# KiCad board Inn BEC Panelized_panelized.kicad_pcb (continued)
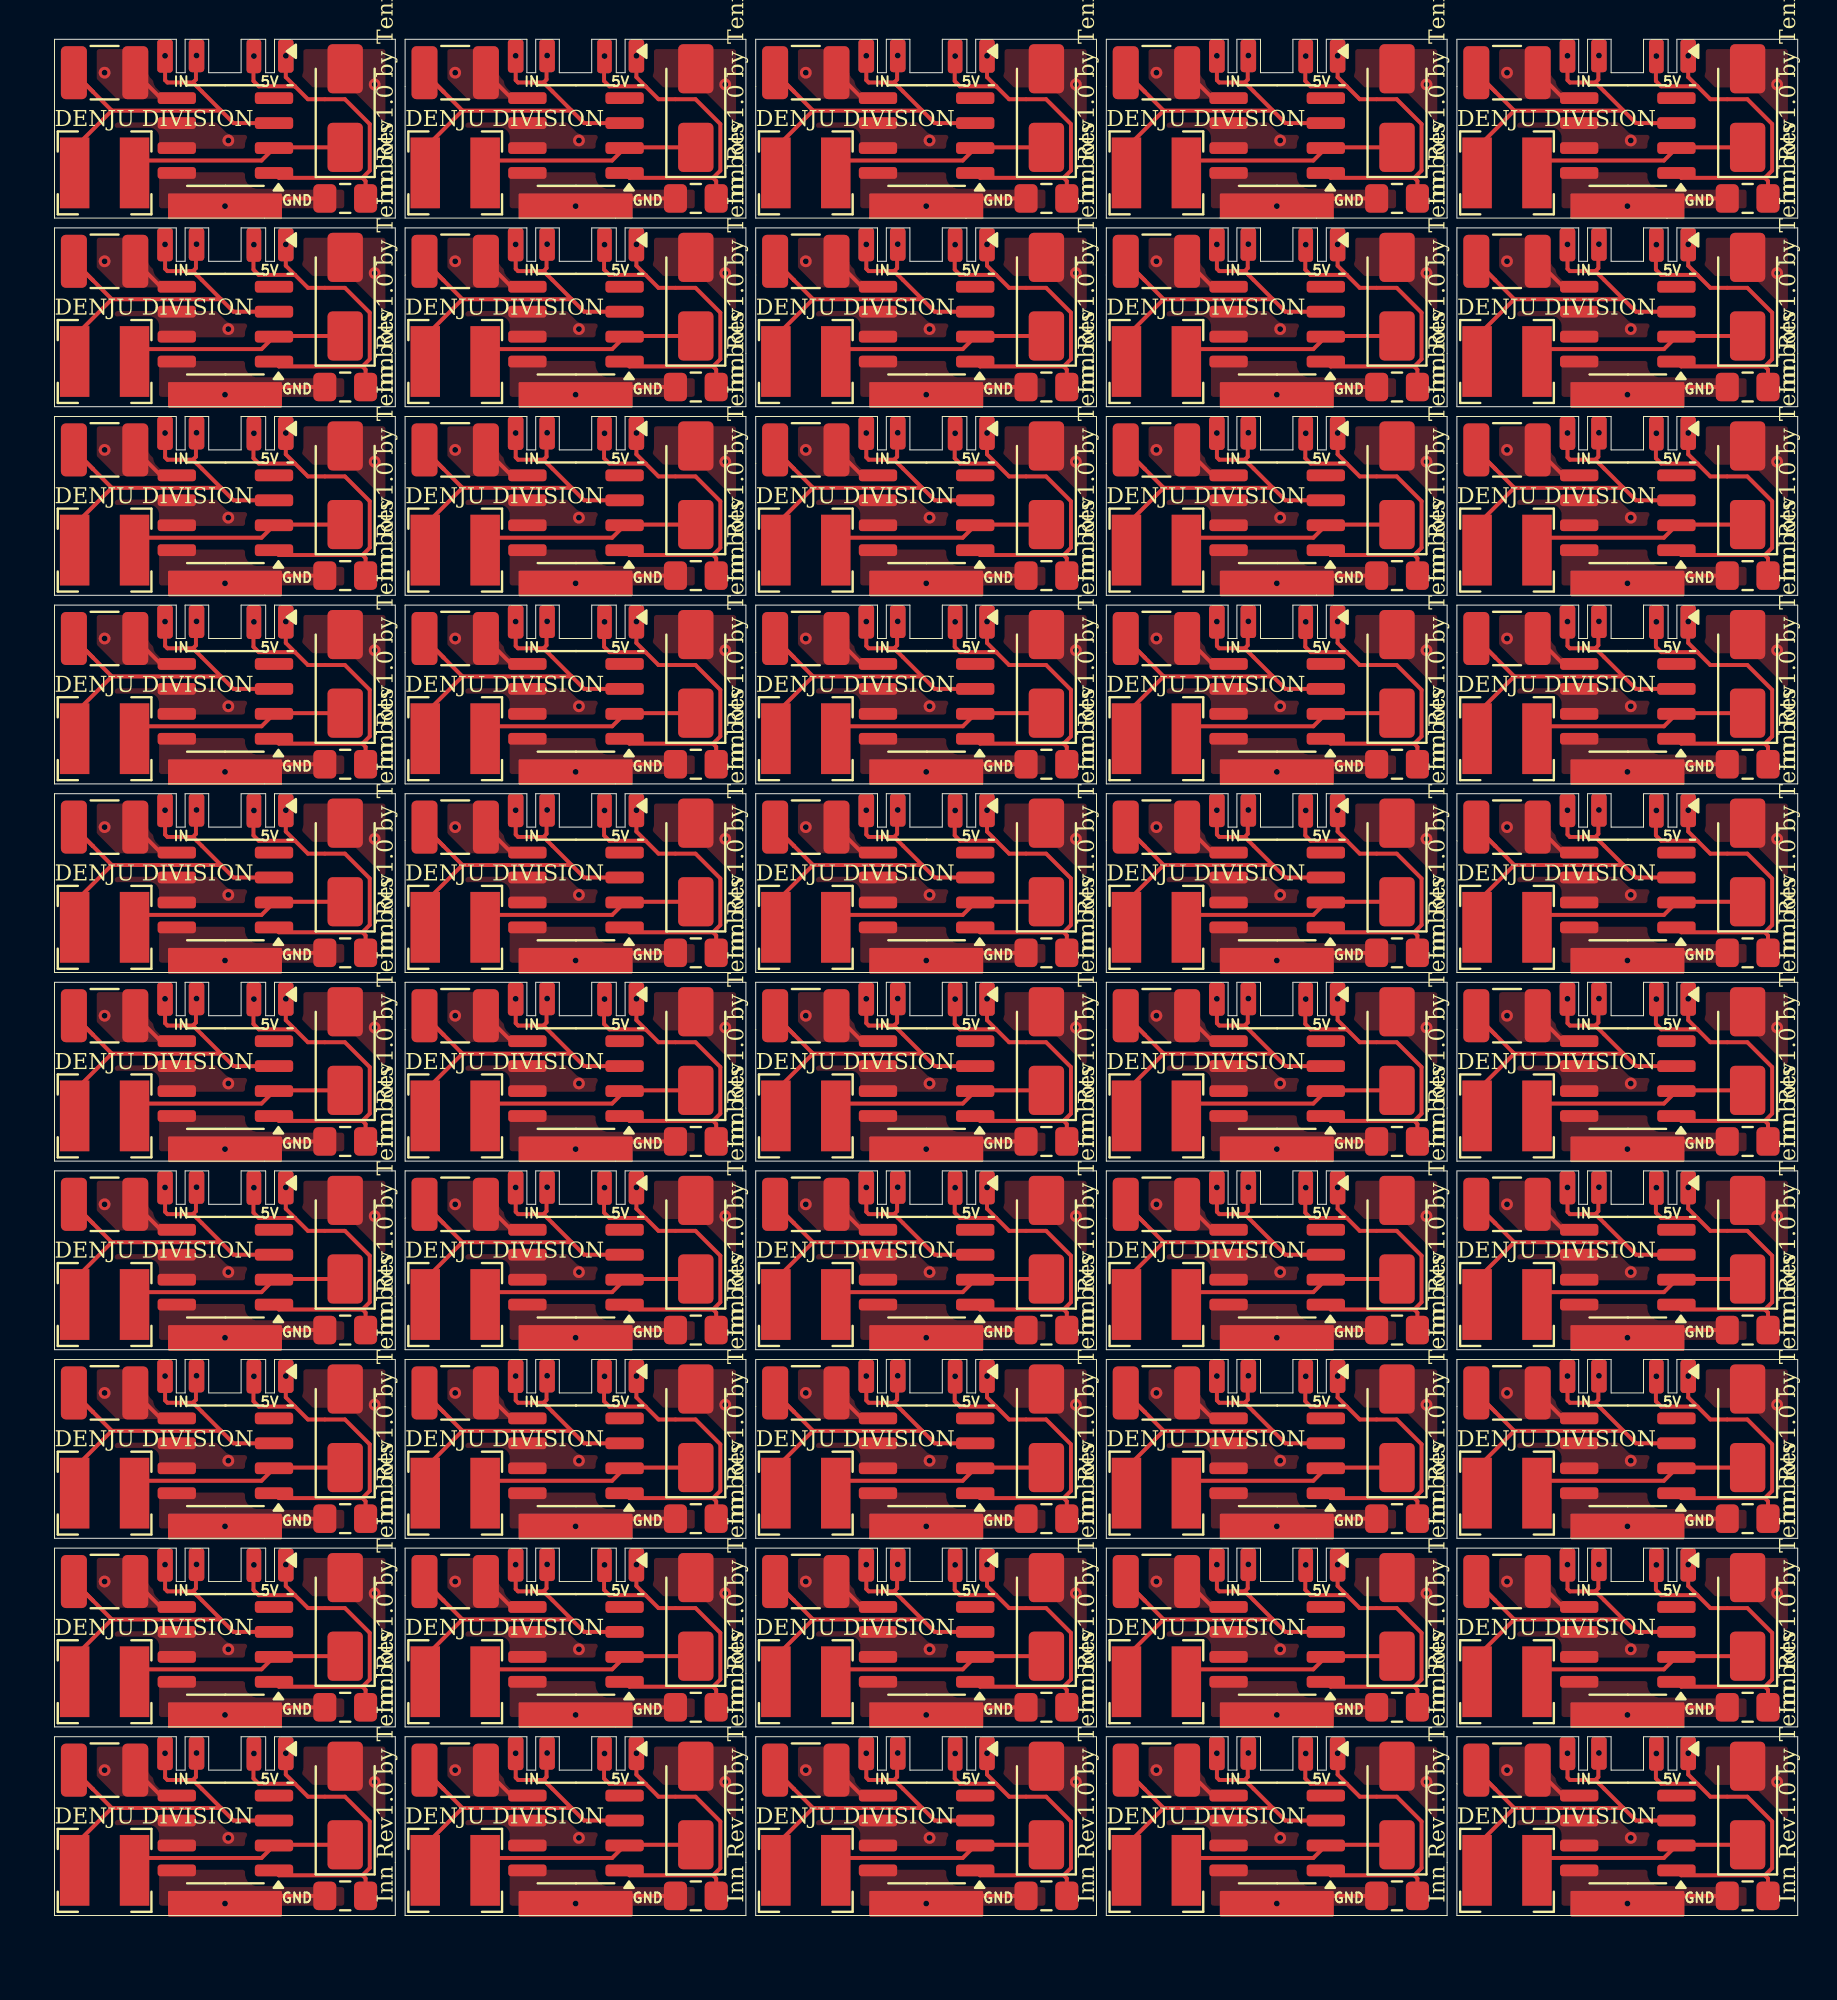
[diagram p0: board, top side]
## Routing (per net, layer and track width the routed paths; a pad name or vN(x,y) marks a point on that pad's centre or on a via; arc(x,y) is an arc through that point) (continued)
Net-(D2-K): length 563.2
  Top w0.2: L1#21.1 76.11,41.33 81.94,41.33 U1#28.2 82.61,42 D2#39.1 ; L1#29.1 76.11,89.33 81.94,89.33 U1#39.2 82.61,90 D2#17.1 ; L1#28.1 40.4,2.93 46.24,2.93 U1#7.2 46.91,3.6 D2#32.1 ; L1#5.1 22.55,22.13 28.39,22.13 U1#36.2 29.06,22.8 D2#25.1 ; L1.1 4.7,41.33 10.54,41.33 U1#29.2 11.21,42 D2#46.1 ; D2#3.1 82.61,22.8 U1#47.2 81.94,22.13 76.11,22.13 L1#49.1 ; L1#50.1 40.4,41.33 46.24,41.33 U1#23.2 46.91,42 D2#23.1 ; L1#45.1 22.55,70.13 28.39,70.13 U1#50.2 29.06,70.8 D2#5.1 ; D2#42.1 11.21,90 U1#8.2 10.54,89.33 4.7,89.33 L1#24.1 ; L1#25.1 22.55,31.73 28.39,31.73 U1#26.2 29.06,32.4 D2#20.1 ; D2#21.1 64.76,80.4 U1#31.2 64.09,79.73 58.25,79.73 L1#11.1 ; L1#16.1 22.55,50.93 28.39,50.93 U1#6.2 29.06,51.6 D2#29.1 ; L1#30.1 76.11,60.53 81.94,60.53 U1#13.2 82.61,61.2 D2#50.1 ; D2#6.1 82.61,13.2 U1#43.2 81.94,12.53 76.11,12.53 L1#36.1 ; L1#18.1 58.25,22.13 64.09,22.13 U1#45.2 64.76,22.8 D2#45.1 ; D2#49.1 64.76,70.8 U1#41.2 64.09,70.13 58.25,70.13 L1#17.1 ; L1#48.1 22.55,2.93 28.39,2.93 U1#35.2 29.06,3.6 D2#24.1 ; L1#32.1 58.25,12.53 64.09,12.53 U1#14.2 64.76,13.2 D2#12.1 ; D2#2.1 11.21,70.8 U1#5.2 10.54,70.13 4.7,70.13 L1#39.1 ; L1#6.1 22.55,12.53 28.39,12.53 U1#32.2 29.06,13.2 D2#37.1 ; L1#41.1 40.4,70.13 46.24,70.13 U1#4.2 46.91,70.8 D2#48.1 ; D2#16.1 82.61,80.4 U1#37.2 81.94,79.73 76.11,79.73 L1#10.1 ; L1#27.1 4.7,60.53 10.54,60.53 U1#10.2 11.21,61.2 D2#8.1 ; D2#31.1 82.61,70.8 U1#19.2 81.94,70.13 76.11,70.13 L1#19.1 ; D2#33.1 11.21,51.6 U1#30.2 10.54,50.93 4.7,50.93 L1#42.1 ; L1#47.1 58.25,50.93 64.09,50.93 U1#12.2 64.76,51.6 D2#19.1 ; L1#8.1 40.4,89.33 46.24,89.33 U1#11.2 46.91,90 D2#41.1 ; L1#34.1 40.4,60.53 46.24,60.53 U1#38.2 46.91,61.2 D2#14.1 ; D2#40.1 46.91,22.8 U1#48.2 46.24,22.13 40.4,22.13 L1#33.1 ; D2#13.1 29.06,80.4 U1#34.2 28.39,79.73 22.55,79.73 L1#13.1 ; L1#22.1 4.7,12.53 10.54,12.53 U1#46.2 11.21,13.2 D2#36.1 ; D2#11.1 11.21,3.6 U1#25.2 10.54,2.93 4.7,2.93 L1#20.1 ; D2#18.1 11.21,32.4 U1#24.2 10.54,31.73 4.7,31.73 L1#23.1 ; D2#34.1 46.91,80.4 U1#49.2 46.24,79.73 40.4,79.73 L1#2.1 ; L1#7.1 76.11,31.73 81.94,31.73 U1#44.2 82.61,32.4 D2#7.1 ; L1#43.1 22.55,89.33 28.39,89.33 U1.2 29.06,90 D2.1 ; L1#44.1 40.4,50.93 46.24,50.93 U1#16.2 46.91,51.6 D2#44.1 ; D2#9.1 11.21,80.4 U1#3.2 10.54,79.73 4.7,79.73 L1#46.1 ; L1#40.1 40.4,12.53 46.24,12.53 U1#2.2 46.91,13.2 D2#43.1 ; L1#38.1 40.4,31.73 46.24,31.73 U1#17.2 46.91,32.4 D2#27.1 ; L1#31.1 58.25,89.33 64.09,89.33 U1#9.2 64.76,90 D2#28.1 ; L1#14.1 76.11,2.93 81.94,2.93 U1#22.2 82.61,3.6 D2#4.1 ; L1#15.1 22.55,60.53 28.39,60.53 U1#20.2 29.06,61.2 D2#30.1 ; D2#38.1 64.76,61.2 U1#42.2 64.09,60.53 58.25,60.53 L1#12.1 ; D2#22.1 11.21,22.8 U1#40.2 10.54,22.13 4.7,22.13 L1#37.1 ; D2#15.1 64.76,42 U1#33.2 64.09,41.33 58.25,41.33 L1#9.1 ; D2#47.1 64.76,3.6 U1#21.2 64.09,2.93 58.25,2.93 L1#26.1 ; L1#3.1 76.11,50.93 81.94,50.93 U1#15.2 82.61,51.6 D2#10.1 ; L1#4.1 58.25,31.73 64.09,31.73 U1#18.2 64.76,32.4 D2#26.1 ; D2#35.1 29.06,42 U1#27.2 28.39,41.33 22.55,41.33 L1#35.1
Net-(J1-Pin_1): length 932.1
  Top w0.2: 33.61,87.48 33.69,87.4 ; 33.61,87.48 33.69,87.56 33.69,88.29 33.53,88.45 ; 33.61,87.48 33.69,87.4 ; 33.69,87.4 C2.1 33.69,87.4 ; 33.53,30.85 33.9,31.22 33.9,33.59 32.64,34.85 30.75,34.85 30.1,35.5 ; 33.53,30.85 29.27,30.85 U1#26.1 ; 33.53,30.85 33.69,30.69 33.69,29.96 33.61,29.88 ; 47.47,46.43 47.47,45.57 47.95,45.1 ; 33.61,29.88 33.69,29.8 ; 33.61,29.88 33.69,29.8 ; 30.1,25.9 29.62,26.38 29.62,27.23 ; 30.1,25.9 30.75,25.25 32.64,25.25 33.9,23.99 33.9,21.62 33.53,21.25 ; 30.1,25.9 30.09,25.91 28.25,25.91 27.98,26.18 27.98,27.42 ; 51.54,87.4 C2#11.1 51.54,87.4 ; 51.54,87.4 51.46,87.48 ; 51.54,87.4 51.46,87.48 ; 83.65,25.9 83.17,26.38 83.17,27.23 ; 83.65,25.9 83.64,25.91 81.8,25.91 81.53,26.18 81.53,27.42 ; 83.65,25.9 84.3,25.25 86.19,25.25 87.45,23.99 87.45,21.62 87.08,21.25 ; 15.76,58.68 15.84,58.6 ; 15.76,58.68 15.84,58.6 ; 15.76,58.68 15.84,58.76 15.84,59.49 15.68,59.65 ; 15.84,58.6 C2#19.1 15.84,58.6 ; 87.16,20.28 87.24,20.2 ; 87.16,20.28 87.24,20.36 87.24,21.09 87.08,21.25 ; 87.16,20.28 87.24,20.2 ; 87.24,20.2 C2#17.1 87.24,20.2 ; 69.23,2.05 69.6,2.42 69.6,4.79 68.34,6.05 66.45,6.05 65.8,6.7 ; 69.23,2.05 64.97,2.05 U1#21.1 ; 69.23,2.05 69.39,1.89 69.39,1.16 69.31,1.08 ; 27.98,46.41 27.98,46.62 ; 27.98,46.62 27.98,45.38 28.25,45.11 30.09,45.11 30.1,45.1 ; 27.98,46.62 v1(28,46.65) ; U1#31.1 64.97,78.85 69.23,78.85 ; 47.47,75.23 47.47,74.37 47.95,73.9 ; 10.13,17.82 10.13,16.58 10.4,16.31 12.24,16.31 12.25,16.3 ; 10.13,17.82 10.13,17.61 ; 10.13,17.82 v1(10.15,17.85) ; 15.76,20.28 15.84,20.2 ; 15.76,20.28 15.84,20.2 ; 15.76,20.28 15.84,20.36 15.84,21.09 15.68,21.25 ; 15.84,20.2 C2#18.1 15.84,20.2 ; 33.53,2.05 33.9,2.42 33.9,4.79 32.64,6.05 30.75,6.05 30.1,6.7 ; 33.53,2.05 29.27,2.05 U1#35.1 ; 33.53,2.05 33.69,1.89 33.69,1.16 33.61,1.08 ; 69.23,40.45 69.39,40.29 69.39,39.56 69.31,39.48 ; 69.23,40.45 69.6,40.82 69.6,43.19 68.34,44.45 66.45,44.45 65.8,45.1 ; 69.23,40.45 64.97,40.45 U1#33.1 ; 15.76,68.28 15.84,68.2 ; 15.76,68.28 15.84,68.36 15.84,69.09 15.68,69.25 ; 15.76,68.28 15.84,68.2 ; 15.84,68.2 C2#26.1 15.84,68.2 ; 65.33,65.63 65.33,64.77 65.8,64.3 ; 30.1,16.3 30.75,15.65 32.64,15.65 33.9,14.39 33.9,12.02 33.53,11.65 ; 30.1,16.3 29.62,16.77 29.62,17.63 ; 30.1,16.3 30.09,16.31 28.25,16.31 27.98,16.58 27.98,17.82 ; 87.24,29.8 C2#41.1 87.24,29.8 ; 87.24,29.8 87.16,29.88 ; 87.24,29.8 87.16,29.88 ; 10.13,56.01 10.13,56.22 ; 10.13,56.22 10.13,54.98 10.4,54.71 12.24,54.71 12.25,54.7 ; 10.13,56.22 v1(10.15,56.25) ; 87.24,77.8 C2#15.1 87.24,77.8 ; 87.24,77.8 87.16,77.88 ; 87.24,77.8 87.16,77.88 ; 63.68,27.21 63.68,27.42 ; 63.68,27.42 v1(63.7,27.45) ; 63.68,27.42 63.68,26.18 63.95,25.91 65.79,25.91 65.8,25.9 ; v1(81.55,8.25) 81.53,8.22 ; 81.53,8.22 81.53,6.98 81.8,6.71 83.64,6.71 83.65,6.7 ; 81.53,8.22 81.53,8.01 ; v1(63.7,17.85) 63.68,17.82 ; 63.68,17.82 63.68,16.58 63.95,16.31 65.79,16.31 65.8,16.3 ; 63.68,17.82 63.68,17.61 ; 33.53,40.45 33.69,40.29 33.69,39.56 33.61,39.48 ; 33.53,40.45 29.27,40.45 U1#27.1 ; 33.53,40.45 33.9,40.82 33.9,43.19 32.64,44.45 30.75,44.45 30.1,45.1 ; v1(28,56.25) 27.98,56.22 ; 27.98,56.22 27.98,54.98 28.25,54.71 30.09,54.71 30.1,54.7 ; 27.98,56.22 27.98,56.01 ; 30.1,35.5 30.09,35.51 28.25,35.51 27.98,35.78 27.98,37.02 ; 30.1,35.5 29.62,35.97 29.62,36.83 ; 69.23,88.45 64.97,88.45 U1#9.1 ; 69.23,88.45 69.39,88.29 69.39,87.56 69.31,87.48 ; 69.23,88.45 69.6,88.82 69.6,91.19 68.34,92.45 66.45,92.45 65.8,93.1 ; 65.8,16.3 66.45,15.65 68.34,15.65 69.6,14.39 69.6,12.02 69.23,11.65 ; 65.8,16.3 65.33,16.77 65.33,17.63 ; 15.68,50.05 15.84,49.89 15.84,49.16 15.76,49.08 ; 15.68,50.05 16.05,50.42 16.05,52.79 14.79,54.05 12.9,54.05 12.25,54.7 ; 15.68,50.05 11.42,50.05 U1#30.1 ; 33.61,77.88 33.69,77.96 33.69,78.69 33.53,78.85 ; 33.61,77.88 33.69,77.8 ; 33.61,77.88 33.69,77.8 ; 12.25,25.9 12.24,25.91 10.4,25.91 10.13,26.18 10.13,27.42 ; 12.25,25.9 11.77,26.38 11.77,27.23 ; 12.25,25.9 12.9,25.25 14.79,25.25 16.05,23.99 16.05,21.62 15.68,21.25 ; 15.84,49 C2#24.1 15.84,49 ; 15.84,49 15.76,49.08 ; 15.84,49 15.76,49.08 ; 47.95,35.5 48.6,34.85 50.49,34.85 51.75,33.59 51.75,31.22 51.38,30.85 ; 47.95,35.5 47.47,35.97 47.47,36.83 ; 47.95,35.5 47.94,35.51 46.1,35.51 45.83,35.78 45.83,37.02 ; 15.84,10.6 C2#14.1 15.84,10.6 ; 15.84,10.6 15.76,10.68 ; 15.84,10.6 15.76,10.68 ; 45.83,75.21 45.83,75.42 ; 45.83,75.42 v1(45.85,75.45) ; 45.83,75.42 45.83,74.18 46.1,73.91 47.94,73.91 47.95,73.9 ; 15.84,87.4 C2#30.1 15.84,87.4 ; 15.84,87.4 15.76,87.48 ; 15.84,87.4 15.76,87.48 ; v1(63.7,8.25) 63.68,8.22 ; 63.68,8.22 63.68,6.98 63.95,6.71 65.79,6.71 65.8,6.7 ; 63.68,8.22 63.68,8.01 ; 87.08,11.65 82.82,11.65 U1#43.1 ; 87.08,11.65 87.24,11.49 87.24,10.76 87.16,10.68 ; 87.08,11.65 87.45,12.02 87.45,14.39 86.19,15.65 84.3,15.65 83.65,16.3 ; v1(10.15,8.25) 10.13,8.22 ; 10.13,8.22 10.13,8.01 ; 10.13,8.22 10.13,6.98 10.4,6.71 12.24,6.71 12.25,6.7 ; 29.62,94.43 29.62,93.57 30.1,93.1 ; 51.54,77.8 C2#2.1 51.54,77.8 ; 51.54,77.8 51.46,77.88 ; 51.54,77.8 51.46,77.88 ; 65.8,35.5 66.45,34.85 68.34,34.85 69.6,33.59 69.6,31.22 69.23,30.85 ; 65.8,35.5 65.79,35.51 63.95,35.51 63.68,35.78 63.68,37.02 ; 65.8,35.5 65.33,35.97 65.33,36.83 ; 69.31,39.48 69.39,39.4 ; 69.31,39.48 69.39,39.4 ; 69.39,39.4 C2#12.1 69.39,39.4 ; 87.16,87.48 87.24,87.4 ; 87.16,87.48 87.24,87.4 ; 87.16,87.48 87.24,87.56 87.24,88.29 87.08,88.45 ; 87.24,87.4 C2#45.1 87.24,87.4 ; 11.77,65.63 11.77,64.77 12.25,64.3 ; 69.31,77.88 69.39,77.8 ; 69.31,77.88 69.39,77.96 69.39,78.69 69.23,78.85 ; 69.31,77.88 69.39,77.8 ; 69.39,77.8 C2#4.1 69.39,77.8 ; 81.53,27.42 81.53,27.21 ; 81.53,27.42 v1(81.55,27.45) ; 87.24,39.4 C2#49.1 87.24,39.4 ; 87.24,39.4 87.16,39.48 ; 87.24,39.4 87.16,39.48 ; 10.13,85.02 10.13,83.78 10.4,83.51 12.24,83.51 12.25,83.5 ; 10.13,85.02 10.13,84.81 ; 10.13,85.02 v1(10.15,85.05) ; 33.53,11.65 33.69,11.49 33.69,10.76 33.61,10.68 ; 33.53,11.65 29.27,11.65 U1#32.1 ; U1#15.1 82.82,50.05 87.08,50.05 ; 47.95,45.1 47.94,45.11 46.1,45.11 45.83,45.38 45.83,46.62 ; 47.95,45.1 48.6,44.45 50.49,44.45 51.75,43.19 51.75,40.82 51.38,40.45 ; 15.68,11.65 11.42,11.65 U1#46.1 ; 15.68,11.65 16.05,12.02 16.05,14.39 14.79,15.65 12.9,15.65 12.25,16.3 ; 15.68,11.65 15.84,11.49 15.84,10.76 15.76,10.68 ; 87.16,68.28 87.24,68.36 87.24,69.09 87.08,69.25 ; 87.16,68.28 87.24,68.2 ; 87.16,68.28 87.24,68.2 ; 51.38,30.85 51.54,30.69 51.54,29.96 51.46,29.88 ; 51.38,30.85 47.12,30.85 U1#17.1 ; 15.68,69.25 11.42,69.25 U1#5.1 ; 15.68,69.25 16.05,69.62 16.05,71.99 14.79,73.25 12.9,73.25 12.25,73.9 ; 69.31,87.48 69.39,87.4 ; 69.31,87.48 69.39,87.4 ; 69.39,87.4 C2#5.1 69.39,87.4 ; 69.39,68.2 C2#7.1 69.39,68.2 ; 69.39,68.2 69.31,68.28 ; 69.39,68.2 69.31,68.28 ; U1#19.1 82.82,69.25 87.08,69.25 ; 47.95,73.9 48.6,73.25 50.49,73.25 51.75,71.99 51.75,69.62 51.38,69.25 ; 65.8,6.7 65.33,7.17 65.33,8.03 ; 65.8,83.5 66.45,82.85 68.34,82.85 69.6,81.59 69.6,79.22 69.23,78.85 ; 65.8,83.5 65.79,83.51 63.95,83.51 63.68,83.78 63.68,85.02 ; 65.8,83.5 65.33,83.97 65.33,84.83 ; 33.61,58.68 33.69,58.76 33.69,59.49 33.53,59.65 ; 33.61,58.68 33.69,58.6 ; 33.61,58.68 33.69,58.6 ; 29.62,56.03 29.62,55.17 30.1,54.7 ; 51.54,10.6 C2#38.1 51.54,10.6 ; 51.54,10.6 51.46,10.68 ; 51.54,10.6 51.46,10.68 ; U1#13.1 82.82,59.65 87.08,59.65 ; 47.95,64.3 48.6,63.65 50.49,63.65 51.75,62.39 51.75,60.02 51.38,59.65 ; 47.95,64.3 47.94,64.31 46.1,64.31 45.83,64.58 45.83,65.82 ; 47.95,64.3 47.47,64.77 47.47,65.63 ; 15.68,78.85 15.84,78.69 15.84,77.96 15.76,77.88 ; 15.68,78.85 16.05,79.22 16.05,81.59 14.79,82.85 12.9,82.85 12.25,83.5 ; 15.68,78.85 11.42,78.85 U1#3.1 ; 33.69,20.2 C2#35.1 33.69,20.2 ; 33.69,20.2 33.61,20.28 ; 33.69,20.2 33.61,20.28 ; 15.68,59.65 16.05,60.02 16.05,62.39 14.79,63.65 12.9,63.65 12.25,64.3 ; 15.68,59.65 11.42,59.65 U1#10.1 ; 87.08,59.65 87.45,60.02 87.45,62.39 86.19,63.65 84.3,63.65 83.65,64.3 ; 87.08,59.65 87.24,59.49 87.24,58.76 87.16,58.68 ; 69.39,29.8 C2#43.1 69.39,29.8 ; 69.39,29.8 69.31,29.88 ; 69.39,29.8 69.31,29.88 ; 83.65,35.5 83.64,35.51 81.8,35.51 81.53,35.78 81.53,37.02 ; 83.65,35.5 83.17,35.97 83.17,36.83 ; 83.65,35.5 84.3,34.85 86.19,34.85 87.45,33.59 87.45,31.22 87.08,30.85 ; 51.46,29.88 51.54,29.8 ; 51.46,29.88 51.54,29.8 ; 45.83,56.22 45.83,54.98 46.1,54.71 47.94,54.71 47.95,54.7 ; 45.83,56.22 45.83,56.01 ; 45.83,56.22 v1(45.85,56.25) ; 87.08,50.05 87.24,49.89 87.24,49.16 87.16,49.08 ; 87.08,50.05 87.45,50.42 87.45,52.79 86.19,54.05 84.3,54.05 83.65,54.7 ; 15.68,21.25 11.42,21.25 U1#40.1 ; 45.83,37.02 45.83,36.81 ; 45.83,37.02 v1(45.85,37.05) ; 51.46,1.08 51.54,1 ; 51.46,1.08 51.54,1.16 51.54,1.89 51.38,2.05 ; 51.46,1.08 51.54,1 ; 51.54,1 C2#23.1 51.54,1 ; 83.17,56.03 83.17,55.17 83.65,54.7 ; 69.23,21.25 64.97,21.25 U1#45.1 ; 69.23,21.25 69.6,21.62 69.6,23.99 68.34,25.25 66.45,25.25 65.8,25.9 ; 69.23,21.25 69.39,21.09 69.39,20.36 69.31,20.28 ; 27.98,94.41 27.98,94.62 ; 27.98,94.62 v1(28,94.65) ; 27.98,94.62 27.98,93.38 28.25,93.11 30.09,93.11 30.1,93.1 ; U1#20.1 29.27,59.65 33.53,59.65 ; 51.38,88.45 51.75,88.82 51.75,91.19 50.49,92.45 48.6,92.45 47.95,93.1 ; 51.38,88.45 51.54,88.29 51.54,87.56 51.46,87.48 ; 51.38,88.45 47.12,88.45 U1#11.1 ; 83.17,75.23 83.17,74.37 83.65,73.9 ; 12.25,64.3 12.24,64.31 10.4,64.31 10.13,64.58 10.13,65.82 ; 69.23,69.25 69.6,69.62 69.6,71.99 68.34,73.25 66.45,73.25 65.8,73.9 ; 69.23,69.25 64.97,69.25 U1#41.1 ; 69.23,69.25 69.39,69.09 69.39,68.36 69.31,68.28 ; 47.95,93.1 47.47,93.57 47.47,94.43 ; 47.95,93.1 47.94,93.11 46.1,93.11 45.83,93.38 45.83,94.62 ; 30.1,64.3 29.62,64.77 29.62,65.63 ; 30.1,64.3 30.09,64.31 28.25,64.31 27.98,64.58 27.98,65.82 ; 30.1,64.3 30.75,63.65 32.64,63.65 33.9,62.39 33.9,60.02 33.53,59.65 ; 69.39,1 C2#48.1 69.39,1 ; 69.39,1 69.31,1.08 ; 69.39,1 69.31,1.08 ; 45.83,94.62 45.83,94.41 ; 45.83,94.62 v1(45.85,94.65) ; 65.8,93.1 65.79,93.11 63.95,93.11 63.68,93.38 63.68,94.62 ; 65.8,93.1 65.33,93.57 65.33,94.43 ; 87.24,1 C2#9.1 87.24,1 ; 87.24,1 87.16,1.08 ; 87.24,1 87.16,1.08 ; 87.24,68.2 C2#50.1 87.24,68.2 ; 87.08,21.25 82.82,21.25 U1#47.1 ; 33.61,68.28 33.69,68.36 33.69,69.09 33.53,69.25 ; 33.61,68.28 33.69,68.2 ; 33.61,68.28 33.69,68.2 ; 15.76,1.08 15.84,1.16 15.84,1.89 15.68,2.05 ; 15.76,1.08 15.84,1 ; 15.76,1.08 15.84,1 ; 10.13,75.42 10.13,74.18 10.4,73.91 12.24,73.91 12.25,73.9 ; 10.13,75.42 v1(10.15,75.45) ; 10.13,75.42 10.13,75.21 ; 65.8,73.9 65.33,74.37 65.33,75.23 ; 65.8,73.9 65.79,73.91 63.95,73.91 63.68,74.18 63.68,75.42 ; 33.69,58.6 C2#27.1 33.69,58.6 ; 27.98,84.81 27.98,85.02 ; 27.98,85.02 v1(28,85.05) ; 27.98,85.02 27.98,83.78 28.25,83.51 30.09,83.51 30.1,83.5 ; 12.25,54.7 11.77,55.17 11.77,56.03 ; 87.08,30.85 87.24,30.69 87.24,29.96 87.16,29.88 ; 87.08,30.85 82.82,30.85 U1#44.1 ; 63.68,65.61 63.68,65.82 ; 63.68,65.82 63.68,64.58 63.95,64.31 65.79,64.31 65.8,64.3 ; 63.68,65.82 v1(63.7,65.85) ; 87.08,2.05 82.82,2.05 U1#22.1 ; 87.08,2.05 87.24,1.89 87.24,1.16 87.16,1.08 ; 87.08,2.05 87.45,2.42 87.45,4.79 86.19,6.05 84.3,6.05 83.65,6.7 ; 30.1,73.9 30.75,73.25 32.64,73.25 33.9,71.99 33.9,69.62 33.53,69.25 ; 30.1,73.9 30.09,73.91 28.25,73.91 27.98,74.18 27.98,75.42 ; 30.1,73.9 29.62,74.37 29.62,75.23 ; 15.68,88.45 16.05,88.82 16.05,91.19 14.79,92.45 12.9,92.45 12.25,93.1 ; 15.68,88.45 15.84,88.29 15.84,87.56 15.76,87.48 ; 15.68,88.45 11.42,88.45 U1#8.1 ; 83.65,16.3 83.17,16.77 83.17,17.63 ; 83.65,16.3 83.64,16.31 81.8,16.31 81.53,16.58 81.53,17.82 ; 51.54,49 C2#34.1 51.54,49 ; 51.54,49 51.46,49.08 ; 51.54,49 51.46,49.08 ; 12.25,45.1 12.9,44.45 14.79,44.45 16.05,43.19 16.05,40.82 15.68,40.45 ; 12.25,45.1 12.24,45.11 10.4,45.11 10.13,45.38 10.13,46.62 ; 12.25,45.1 11.77,45.57 11.77,46.43 ; 10.13,27.42 v1(10.15,27.45) ; 10.13,27.42 10.13,27.21 ; 15.68,30.85 15.84,30.69 15.84,29.96 15.76,29.88 ; 15.68,30.85 11.42,30.85 U1#24.1 ; 15.68,30.85 16.05,31.22 16.05,33.59 14.79,34.85 12.9,34.85 12.25,35.5 ; 33.69,39.4 C2#22.1 33.69,39.4 ; 33.69,39.4 33.61,39.48 ; 33.69,39.4 33.61,39.48 ; 33.61,49.08 33.69,49 ; 33.61,49.08 33.69,49.16 33.69,49.89 33.53,50.05 ; 33.61,49.08 33.69,49 ; 33.69,49 C2#47.1 33.69,49 ; 83.65,54.7 83.64,54.71 81.8,54.71 81.53,54.98 81.53,56.22 ; 69.23,30.85 69.39,30.69 69.39,29.96 69.31,29.88 ; 69.23,30.85 64.97,30.85 U1#18.1 ; 12.25,93.1 11.77,93.57 11.77,94.43 ; 12.25,93.1 12.24,93.11 10.4,93.11 10.13,93.38 10.13,94.62 ; 69.39,20.2 C2#32.1 69.39,20.2 ; 69.39,20.2 69.31,20.28 ; 69.39,20.2 69.31,20.28 ; 51.38,21.25 51.75,21.62 51.75,23.99 50.49,25.25 48.6,25.25 47.95,25.9 ; 51.38,21.25 51.54,21.09 51.54,20.36 51.46,20.28 ; 51.38,21.25 47.12,21.25 U1#48.1 ; v1(63.7,94.65) 63.68,94.62 ; 63.68,94.62 63.68,94.41 ; v1(81.55,65.85) 81.53,65.82 ; 81.53,65.82 81.53,65.61 ; 81.53,65.82 81.53,64.58 81.8,64.31 83.64,64.31 83.65,64.3 ; 27.98,27.42 v1(28,27.45) ; 27.98,27.42 27.98,27.21 ; 51.38,59.65 51.54,59.49 51.54,58.76 51.46,58.68 ; 51.38,59.65 47.12,59.65 U1#38.1 ; 83.65,73.9 84.3,73.25 86.19,73.25 87.45,71.99 87.45,69.62 87.08,69.25 ; 83.65,73.9 83.64,73.91 81.8,73.91 81.53,74.18 81.53,75.42 ; 15.76,39.48 15.84,39.4 ; 15.76,39.48 15.84,39.4 ; 15.76,39.48 15.84,39.56 15.84,40.29 15.68,40.45 ; 15.84,39.4 C2#8.1 15.84,39.4 ; 87.16,10.68 87.24,10.6 ; 87.16,10.68 87.24,10.6 ; 87.24,10.6 C2#40.1 87.24,10.6 ; v1(63.7,56.25) 63.68,56.22 ; 63.68,56.22 63.68,56.01 ; 63.68,56.22 63.68,54.98 63.95,54.71 65.79,54.71 65.8,54.7 ; 33.69,77.8 C2#37.1 33.69,77.8 ; 15.84,29.8 C2#28.1 15.84,29.8 ; 15.84,29.8 15.76,29.88 ; 15.84,29.8 15.76,29.88 ; 15.84,1 C2#42.1 15.84,1 ; 83.65,6.7 83.17,7.17 83.17,8.03 ; 65.8,64.3 66.45,63.65 68.34,63.65 69.6,62.39 69.6,60.02 69.23,59.65 ; v1(28,17.85) 27.98,17.82 ; 27.98,17.82 27.98,17.61 ; 63.68,36.81 63.68,37.02 ; 63.68,37.02 v1(63.7,37.05) ; 33.61,1.08 33.69,1 ; 33.61,1.08 33.69,1 ; 33.69,1 C2#25.1 33.69,1 ; 51.46,77.88 51.54,77.96 51.54,78.69 51.38,78.85 ; 51.38,40.45 47.12,40.45 U1#23.1 ; 51.38,40.45 51.54,40.29 51.54,39.56 51.46,39.48 ; v1(63.7,75.45) 63.68,75.42 ; 63.68,75.42 63.68,75.21 ; 51.46,49.08 51.54,49.16 51.54,49.89 51.38,50.05 ; 47.47,17.63 47.47,16.77 47.95,16.3 ; 45.83,27.21 45.83,27.42 ; 45.83,27.42 45.83,26.18 46.1,25.91 47.94,25.91 47.95,25.9 ; 45.83,27.42 v1(45.85,27.45) ; 33.61,20.28 33.69,20.36 33.69,21.09 33.53,21.25 ; 69.31,58.68 69.39,58.76 69.39,59.49 69.23,59.65 ; 69.31,58.68 69.39,58.6 ; 69.31,58.68 69.39,58.6 ; 81.53,56.01 81.53,56.22 ; 81.53,56.22 v1(81.55,56.25) ; 69.23,11.65 64.97,11.65 U1#14.1 ; 69.23,11.65 69.39,11.49 69.39,10.76 69.31,10.68 ; 15.68,40.45 11.42,40.45 U1#29.1 ; 12.25,16.3 11.77,16.77 11.77,17.63 ; 12.25,35.5 11.77,35.97 11.77,36.83 ; 12.25,35.5 12.24,35.51 10.4,35.51 10.13,35.78 10.13,37.02 ; 47.95,83.5 47.47,83.97 47.47,84.83 ; 47.95,83.5 48.6,82.85 50.49,82.85 51.75,81.59 51.75,79.22 51.38,78.85 ; 47.95,83.5 47.94,83.51 46.1,83.51 45.83,83.78 45.83,85.02 ; 83.65,64.3 83.17,64.77 83.17,65.63 ; 65.8,54.7 65.33,55.17 65.33,56.03 ; 65.8,54.7 66.45,54.05 68.34,54.05 69.6,52.79 69.6,50.42 69.23,50.05 ; U1#4.1 47.12,69.25 51.38,69.25 ; 87.08,88.45 87.45,88.82 87.45,91.19 86.19,92.45 84.3,92.45 83.65,93.1 ; 87.08,88.45 82.82,88.45 U1#39.1 ; 51.54,39.4 C2#20.1 51.54,39.4 ; 51.54,39.4 51.46,39.48 ; 51.54,39.4 51.46,39.48 ; 45.83,65.61 45.83,65.82 ; 45.83,65.82 v1(45.85,65.85) ; 87.16,77.88 87.24,77.96 87.24,78.69 87.08,78.85 ; 51.46,68.28 51.54,68.2 ; 51.46,68.28 51.54,68.2 ; 51.46,68.28 51.54,68.36 51.54,69.09 51.38,69.25 ; 51.54,68.2 C2#10.1 51.54,68.2 ; 51.38,2.05 51.75,2.42 51.75,4.79 50.49,6.05 48.6,6.05 47.95,6.7 ; 51.38,2.05 47.12,2.05 U1#7.1 ; 15.76,77.88 15.84,77.8 ; 15.76,77.88 15.84,77.8 ; 51.54,29.8 C2#13.1 51.54,29.8 ; 87.16,39.48 87.24,39.56 87.24,40.29 87.08,40.45 ; 12.25,83.5 11.77,83.97 11.77,84.83 ; 47.95,6.7 47.47,7.17 47.47,8.03 ; 47.95,6.7 47.94,6.71 46.1,6.71 45.83,6.98 45.83,8.22 ; 33.61,10.68 33.69,10.6 ; 33.61,10.68 33.69,10.6 ; 33.69,10.6 C2#16.1 33.69,10.6 ; 69.31,49.08 69.39,49 ; 69.31,49.08 69.39,49.16 69.39,49.89 69.23,50.05 ; 69.31,49.08 69.39,49 ; 69.39,49 C2#31.1 69.39,49 ; 30.1,45.1 29.62,45.57 29.62,46.43 ; 87.16,58.68 87.24,58.6 ; 87.16,58.68 87.24,58.6 ; 87.24,58.6 C2#36.1 87.24,58.6 ; v1(10.15,46.65) 10.13,46.62 ; 10.13,46.62 10.13,46.41 ; 33.53,21.25 29.27,21.25 U1#36.1 ; 51.54,20.2 C2#46.1 51.54,20.2 ; 51.54,20.2 51.46,20.28 ; 51.54,20.2 51.46,20.28 ; 47.95,16.3 47.94,16.31 46.1,16.31 45.83,16.58 45.83,17.82 ; 47.95,16.3 48.6,15.65 50.49,15.65 51.75,14.39 51.75,12.02 51.38,11.65 ; 81.53,37.02 v1(81.55,37.05) ; 81.53,37.02 81.53,36.81 ; 33.53,78.85 33.9,79.22 33.9,81.59 32.64,82.85 30.75,82.85 30.1,83.5 ; 33.53,78.85 29.27,78.85 U1#34.1 ; 87.08,40.45 87.45,40.82 87.45,43.19 86.19,44.45 84.3,44.45 83.65,45.1 ; 87.08,40.45 82.82,40.45 U1#28.1 ; 33.53,50.05 29.27,50.05 U1#6.1 ; 33.53,50.05 33.9,50.42 33.9,52.79 32.64,54.05 30.75,54.05 30.1,54.7 ; 45.83,8.22 45.83,8.01 ; 45.83,8.22 v1(45.85,8.25) ; 30.1,93.1 30.75,92.45 32.64,92.45 33.9,91.19 33.9,88.82 33.53,88.45 ; 83.65,83.5 83.64,83.51 81.8,83.51 81.53,83.78 81.53,85.02 ; 83.65,83.5 84.3,82.85 86.19,82.85 87.45,81.59 87.45,79.22 87.08,78.85 ; 83.65,83.5 83.17,83.97 83.17,84.83 ; 63.68,85.02 63.68,84.81 ; 63.68,85.02 v1(63.7,85.05) ; 81.53,17.61 81.53,17.82 ; 81.53,17.82 v1(81.55,17.85) ; 33.53,88.45 29.27,88.45 U1.1 ; 10.13,94.62 10.13,94.41 ; 10.13,94.62 v1(10.15,94.65) ; 83.65,45.1 83.17,45.57 83.17,46.43 ; 83.65,45.1 83.64,45.11 81.8,45.11 81.53,45.38 81.53,46.62 ; 51.46,10.68 51.54,10.76 51.54,11.49 51.38,11.65 ; 10.13,65.61 10.13,65.82 ; 10.13,65.82 v1(10.15,65.85) ; 81.53,94.41 81.53,94.62 ; 81.53,94.62 81.53,93.38 81.8,93.11 83.64,93.11 83.65,93.1 ; 81.53,94.62 v1(81.55,94.65) ; 45.83,84.81 45.83,85.02 ; 45.83,85.02 v1(45.85,85.05) ; v1(28,75.45) 27.98,75.42 ; 27.98,75.42 27.98,75.21 ; 33.69,68.2 C2#33.1 33.69,68.2 ; 51.38,78.85 47.12,78.85 U1#49.1 ; 87.16,49.08 87.24,49 ; 87.16,49.08 87.24,49 ; 87.24,49 C2#39.1 87.24,49 ; 29.62,8.03 29.62,7.17 30.1,6.7 ; v1(63.7,46.65) 63.68,46.62 ; 63.68,46.62 63.68,46.41 ; 63.68,46.62 63.68,45.38 63.95,45.11 65.79,45.11 65.8,45.1 ; 65.8,25.9 65.33,26.38 65.33,27.23 ; 11.77,75.23 11.77,74.37 12.25,73.9 ; 27.98,8.22 27.98,6.98 28.25,6.71 30.09,6.71 30.1,6.7 ; 27.98,8.22 27.98,8.01 ; 27.98,8.22 v1(28,8.25) ; v1(81.55,85.05) 81.53,85.02 ; 81.53,85.02 81.53,84.81 ; 33.53,69.25 29.27,69.25 U1#50.1 ; 69.23,59.65 64.97,59.65 U1#42.1 ; 87.08,78.85 82.82,78.85 U1#37.1 ; 51.54,58.6 C2#21.1 51.54,58.6 ; 51.54,58.6 51.46,58.68 ; 51.54,58.6 51.46,58.68 ; U1#12.1 64.97,50.05 69.23,50.05 ; 83.65,93.1 83.17,93.57 83.17,94.43 ; 27.98,36.81 27.98,37.02 ; 27.98,37.02 v1(28,37.05) ; v1(81.55,46.65) 81.53,46.62 ; 81.53,46.62 81.53,46.41 ; 12.25,6.7 11.77,7.17 11.77,8.03 ; 12.25,6.7 12.9,6.05 14.79,6.05 16.05,4.79 16.05,2.42 15.68,2.05 ; 15.84,77.8 C2#29.1 15.84,77.8 ; 27.98,65.61 27.98,65.82 ; 27.98,65.82 v1(28,65.85) ; 51.38,11.65 47.12,11.65 U1#2.1 ; 47.47,27.23 47.47,26.38 47.95,25.9 ; 47.47,56.03 47.47,55.17 47.95,54.7 ; 10.13,36.81 10.13,37.02 ; 10.13,37.02 v1(10.15,37.05) ; 15.68,2.05 11.42,2.05 U1#25.1 ; 69.39,58.6 C2#44.1 69.39,58.6 ; 33.69,29.8 C2#6.1 33.69,29.8 ; 47.95,54.7 48.6,54.05 50.49,54.05 51.75,52.79 51.75,50.42 51.38,50.05 ; 30.1,83.5 29.62,83.97 29.62,84.83 ; 81.53,75.21 81.53,75.42 ; 81.53,75.42 v1(81.55,75.45) ; 69.31,10.68 69.39,10.6 ; 69.31,10.68 69.39,10.6 ; 69.39,10.6 C2#3.1 69.39,10.6 ; 45.83,17.61 45.83,17.82 ; 45.83,17.82 v1(45.85,17.85) ; 65.33,46.43 65.33,45.57 65.8,45.1 ; v1(45.85,46.65) 45.83,46.62 ; 45.83,46.62 45.83,46.41 ; U1#16.1 47.12,50.05 51.38,50.05
  vias: v1(11.78,94.66) v1(11.78,85.06) v1(11.78,75.46) v1(11.78,65.86) v1(11.78,56.26) v1(11.78,46.66) v1(11.78,37.06) v1(11.78,27.46) v1(11.78,17.86) v1(11.78,8.26) v1(29.63,94.66) v1(29.63,85.06) v1(29.63,75.46) v1(29.63,65.86) v1(29.63,56.26) v1(29.63,46.66) v1(29.63,37.06) v1(29.63,27.46) v1(29.63,17.86) v1(29.63,8.26) v1(47.48,94.66) v1(47.48,85.06) v1(47.48,75.46) v1(47.48,65.86) v1(47.48,56.26) v1(47.48,46.66) v1(47.48,37.06) v1(47.48,27.46) v1(47.48,17.86) v1(47.48,8.26) v1(65.33,94.66) v1(65.33,85.06) v1(65.33,75.46) v1(65.33,65.86) v1(65.33,56.26) v1(65.33,46.66) v1(65.33,37.06) v1(65.33,27.46) v1(65.33,17.86) v1(65.33,8.26) v1(83.18,94.66) v1(83.18,85.06) v1(83.18,75.46) v1(83.18,65.86) v1(83.18,56.26) v1(83.18,46.66) v1(83.18,37.06) v1(83.18,27.46) v1(83.18,17.86) v1(83.18,8.26)
